# Altium PCB Theremin_Chafla-Jonathan.PcbDoc (continued)
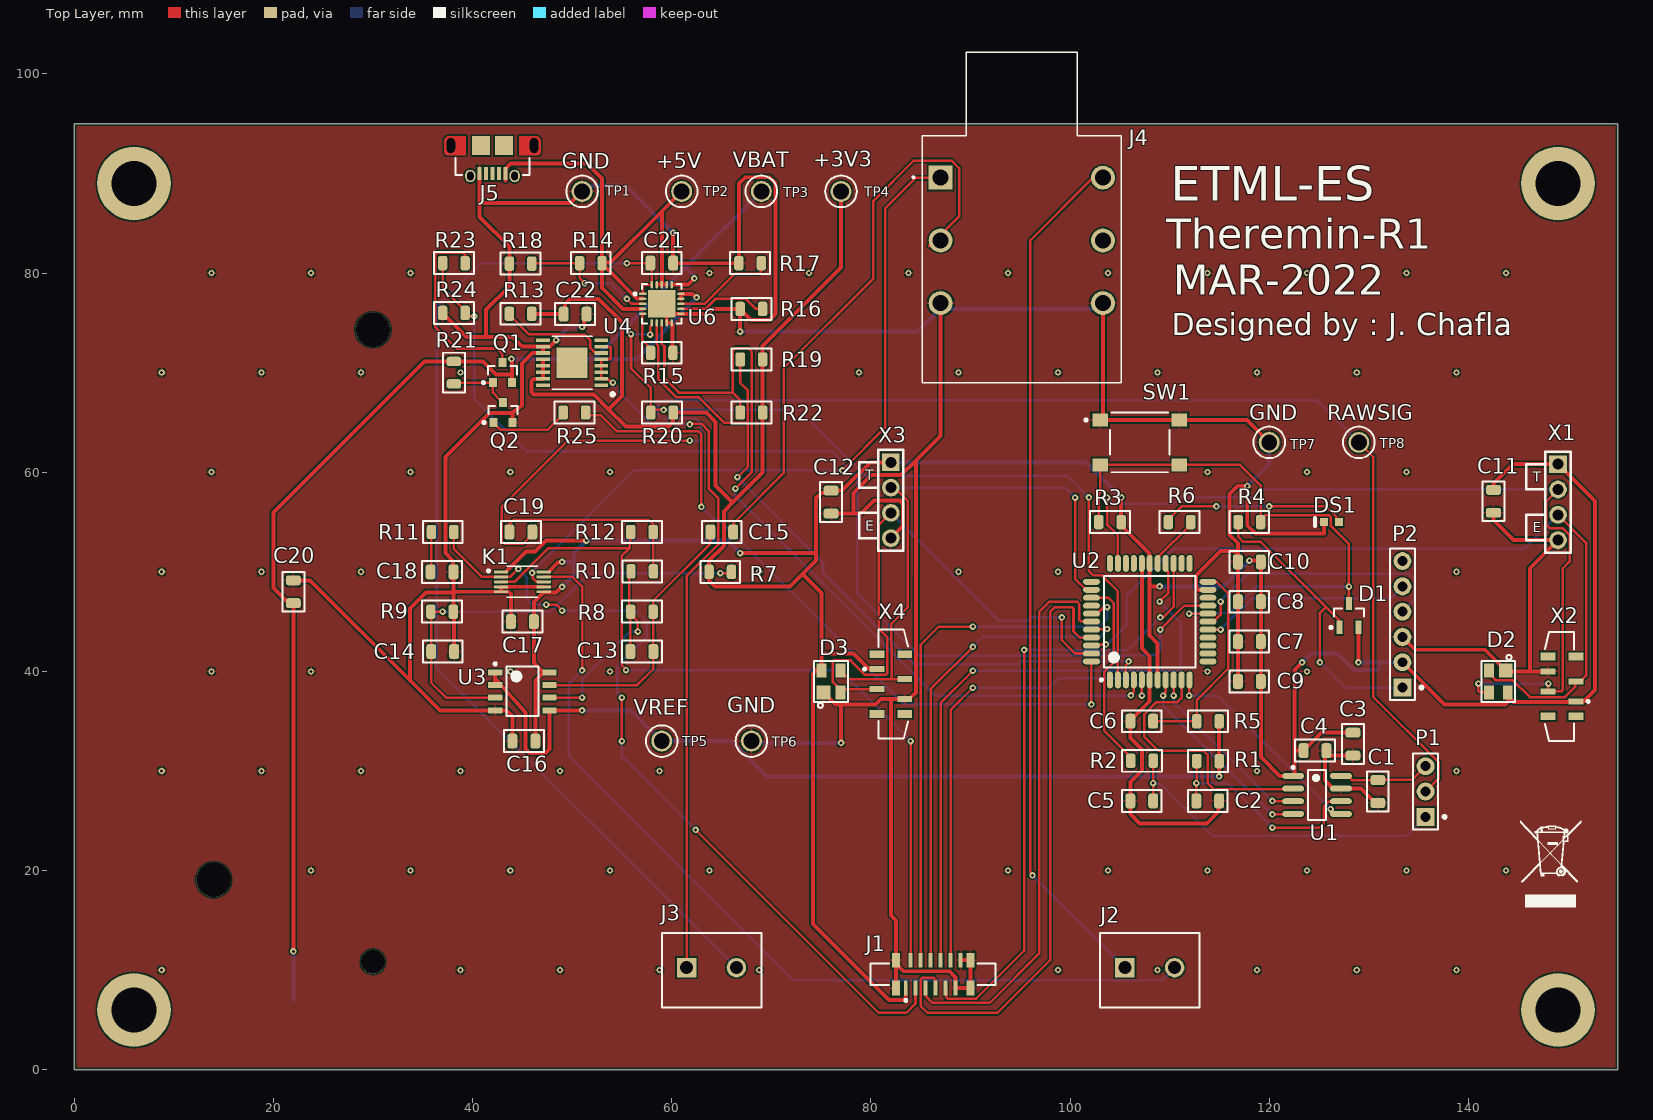
[diagram p0: Top Layer view]
## Part data (continued)
GND GND GND: library part CMP-1672-00003-4, "Test Point, Black, Through Hole, RoHS, Bulk", Colour=Black, Manufacturer=Keystone, Package Quantity=100, ComponentLink1Description="Manufacturer URL", ComponentLink1URL=http://www.keyelco.com/, ComponentLink2Description=Datasheet, ComponentLink2URL=http://www.keyelco.com/product-pdf.cfm?p=1320, Contact Material=Bronze, Contact Plating=Silver, DatasheetVersion="Rev. F, 12/2013", Height="8.12 mm", Mount="Through Hole", Mounting Technology="Through Hole", PackageDescription="1-Pin Through Hole Device, Dia 3.17 mm", PackageReference=5011, Packaging=Bulk, Pins=1, REACH SVHC="No SVHC", RoHSCompliant=true
J1: library part CMP-1502-01609-1, "SMT ZIF Connectors WR-FPC, Vertical, Type A, pitch 0.5 mm, 12 pins", Contact Resistance=20mOhm, Manufacturer="Wurth Elektronik", Operating Temperature=-25to85degC, Rated Current=0.5A, Withstanding Voltage=250VAC, Working Voltage=50VAC, Contact Design=TypeA, Datasheet URL=https://katalog.we-online.de/em/datasheet/687312124422.pdf, Manufacturer URL=http://www.we-online.de, Mounting Technology=SMT, Orientation=Vertical, Package Reference=687312124422, Packaging=TapeandReel, Part Number=687312124422, Pin Number=12, Pitch=0.5mm, Publisher=WurthElektronik
J2 J3: library part CMP-1502-03324-1, "Series 1377 - 5.00 mm Horizontal Entry with Pressure Clamp WR-TBL, 2 pin", Manufacturer="Wurth Elektronik", Operating Temperature=-30to120degC, Datasheet URL=http://katalog.we-online.de/pbs/datasheet/691137710002.pdf, Manufacturer URL=http://www.we-online.de, Mounting Technology=THT, Package Reference=691137710002, Packaging=Box, Part Number=691137710002, Pin Number=2, Pitch=5.00mm, Publisher=WurthElektronik
J4: "Audio/RCA Connector", Manufacturer 1="CUI Devices", Package=Package, Supplier Part Number 1=2223-SJ-63073E-ND, Availability=Warning, BuyPart=https://www.snapeda.com/parts/SJ-63073E/CUI%20Devices/view-part/4973947/?ref=eda, Category="Audio / Video Connectors", CUI_purchase_URL=https://www.cuidevices.com/product/interconnect/connectors/audio-connectors/jacks/sj-6307-series?utm_source=snapeda.com&utm_medium=referral&utm_campaign=snapedaBOM, Manufacturer Part Number 1=SJ-63073E, MF="CUI Devices", Mouser-Purchase-URL=https://snapeda.com/shop?store=Mouser&id=4973947, MP=SJ-63073E, Price=None, Pricing 1="1=1,85000, 10=1,60700, 25=1,53920, 50=1,50480, 100=1,43640, 250=1,29960, 500=1,19700, 1000=1,02600, 2500=0,95760 (USD)", RoHS=No, SnapEDA_Link=https://www.snapeda.com/parts/SJ-63073E/CUI%20Devices/view-part/4973947/?ref=snap, Stock 1=1172, Supplier 1=Digi-Key
J5: library part CMP-1502-03249-1, "Micro USB 2.0 Type AB Receptacle WR-COM, Horizontal, SMT", Contact Resistance=30mOhm, Manufacturer="Wurth Elektronik", Operating Temperature=-40to85degC, Rated Current=1.8A, Working Voltage=30VAC, Connector Type=MicroUSB2.0TypeAB, Datasheet URL=https://katalog.we-online.de/em/datasheet/629105150921.pdf, Gender=Receptacle, Manufacturer URL=http://www.we-online.de, Mounting Technology=SMT, Orientation=Horizontal, Package Reference=629105150921, Packaging=TapeandReel, Part Number=629105150921, Publisher=WurthElektronik
K1: Supplier Part Number 1=700-MAX9700AEUB, Puissance=1.2W, Supplier 1=Mouser
P1: "Header, 3-Pin", LatestRevisionDate=17-Jul-2002, LatestRevisionNote="Re-released for DXP Platform.", Publisher="Altium Limited"
P2: "Header, 6-Pin", LatestRevisionDate=17-Jul-2002, LatestRevisionNote="Re-released for DXP Platform.", Publisher="Altium Limited"
Q1: library part CMP-1058-00745-1, "Power MOSFET, -20 V, -1 A, P-Channel, 3-Pin SOT-23, Pb-Free, Tape and Reel", Manufacturer="On Semiconductor", Package Type=SOT-23-3, Channel Polarity="P Channel", Ciss Typ (pF)=165, ComponentLink1Description="Manufacturer URL", ComponentLink1URL=http://www.onsemi.com/, ComponentLink2Description=Datasheet, ComponentLink2URL=http://www.onsemi.cn/pub_link/Collateral/NTR1P02T1-D.PDF, ComponentLink3Description="Package Specification", ComponentLink3URL=http://www.onsemi.cn/pub_link/Collateral/318-08.PDF, Configuration=Single, Coss Typ (pF)=110, Crss Typ (pF)=35, DatasheetVersion="Rev. 7", ID Max (A)=1, Mounting Technology="Surface Mount", PackageDescription="3-Pin Small Outline Transistor, Body 2.92 x 1.3 mm, Pitch 0.95 mm", PackageReference=SOT-23-3-318-08, PackageVersion="Rev. AP, 11/2009", Packing="Tape and Reel", PartNumber=NVR1P02T1G, PD Max (W)=0.4, Qrr Typ (nC)=8, RoHS=Pb-Free, V(BR)DSS Min (V)=20, VGS Max (V)=20, VGS(th) Max (V)=2.3
Q2: library part CMP-1058-00767-1, "Power MOSFET, 200 mA, 50 V, N-Channel, 3-Pin SOT-23, Pb-Free, Tape and Reel", Manufacturer="On Semiconductor", Package Type=SOT-23-3, Channel Polarity="N Channel", Ciss Typ (pF)=40, ComponentLink1Description="Manufacturer URL", ComponentLink1URL=http://www.onsemi.com/, ComponentLink2Description=Datasheet, ComponentLink2URL=http://www.onsemi.com/pub_link/Collateral/BSS138LT1-D.PDF, ComponentLink3Description="Package Specification", ComponentLink3URL=http://www.onsemi.cn/pub_link/Collateral/318-08.PDF, Configuration=Single, Coss Typ (pF)=12, Crss Typ (pF)=3.5, DatasheetVersion="Rev. 8", ID Max (A)=0.2, Mounting Technology="Surface Mount", PackageDescription="3-Pin Small Outline Transistor, Body 2.92 x 1.3 mm, Pitch 0.95 mm", PackageReference=SOT-23-3-318-08, PackageVersion="Rev. AP, 11/2009", Packing="Tape and Reel", PartNumber=BSS138LT1G, PD Max (W)=0.225, RoHS=Pb-Free, V(BR)DSS Min (V)=50, VGS Max (V)=20, VGS(th) Max (V)=1.5
R1 R2 R3 R4 R5 R6 R7 R8 R9 R10 R11 R12 R13 R14 R15 R16 R17 R18 R19 R20 R21 R22 R23 R24 R25: library part RES, "Resistor"
RAWSIG: library part CMP-1672-00004-4, "Test Point, White, Through Hole, RoHS, Bulk", Colour=White, Manufacturer=Keystone, Package Quantity=100, ComponentLink1Description="Manufacturer URL", ComponentLink1URL=http://www.keyelco.com/, ComponentLink2Description=Datasheet, ComponentLink2URL=http://www.keyelco.com/product-pdf.cfm?p=1321, Contact Material=Bronze, Contact Plating=Silver, DatasheetVersion="Rev. F, 12/2013", Height="8.12 mm", Length="11.3 mm", Mount="Through Hole", Mounting Technology="Through Hole", PackageDescription="1-Pin Through Hole Device, Dia 3.17 mm", PackageReference=5012, Packaging=Bulk, Pins=1, REACH SVHC="No SVHC", RoHSCompliant=true
SW1: library part CMP-2000-05160-2, "SWITCH TACTILE SPST-NO 0.05A 12V", Case/Package=SMD/SMT, Color=Black, Contact Resistance=100mR, Current Rating=50mA, Max Operating Temperature=60°C, Max Voltage Rating (DC)=12V, Min Operating Temperature=-20°C, Operating Force=160gf, Package Quantity=1, Actuator Length=0.85mm, Actuator Material=Nylon, Actuator Type=Standard, Contact Material=Silver, Contact Plating=Silver, Depth=9mm, Illumination Type=Non-Illuminated, Lead Free="Lead Free", Length=6mm, Max Current Rating=50mA, Mechanical Life=100000Cycles, Mount="Surface Mount", Orientation=Straight, Packaging="Tape and Reel", REACH SVHC="No SVHC", Switch Function=Off-Mom, Termination="Gull Wing", Throw Configuration=SPST, Voltage Rating (DC)=12V
U1: library part CMP-0188-01155-1, "8-Bit DAC with SPI Interface, 8-Pin SOIC 150mil, Extended Temperature", Code_IPC=SOIC127P600-8, Code_JEDEC=MS-012, ComponentLink1Description="Manufacturer URL", ComponentLink1URL=http://www.microchip.com/, ComponentLink2Description=Datasheet, ComponentLink2URL=http://ww1.microchip.com/downloads/en/DeviceDoc/22248a.pdf, ComponentLink3Description="Package Specification", ComponentLink3URL=http://www.microchip.com/stellent/groups/techpub_sg/documents/packagingspec/en012702.pdf, DatasheetVersion="revA, Apr-2010", PackageDescription="8-Lead Plastic Small Outline (SN) - Narrow, 3.90mm Body [SOIC]", PackageReference=SOIC-SN8, PackageVersion="revBB, Aug-2009"
U2: "PIC PICÂ® 18F Microcontroller IC 8-Bit 48MHz 32KB _16K x 16_ FLASH 44-TQFP _10x10_", Package="TQFP-44 Microchip", Availability=Unavailable, MF=Microchip, MP=PIC18F4550-I/PT, Price=None, SnapEDA_Link=https://www.snapeda.com/parts/PIC18F4550-I/PT/Microchip/view-part/4713/?ref=snap
U3: library part CMP-0055-00790-3, "Dual Low Power 10 MHz Rail-to-Rail I/O Operational Amplifier, 8-pin Narrow SOIC", Manufacturer="Texas Instruments", Package Reference=D0008A, PackageTopMarking=NSZXTT*LM61*32BIM, PowerWise=N, Code_IPC=SOIC127P600-8, Code_JEDEC=MS-012-AA, ComponentLink1Description="Datasheet URL", ComponentLink1URL=http://www.ti.com/general/docs/lit/getliterature.tsp?genericPartNumber=LM6132&fileType=pdf, CompType=Amplifiers, PackageDescription="SOIC Narrow, 4.9 x 3.9 x 1.45mm, 8 Lead, 1.27mm Pitch", PinCount=8, RoHS=N
U4: "Fixed/Adjustable Positive LDO Regulator, 1.25V Min, 5V Max, 0.35V Dropout, PMOS, PDSO16", Dropout Voltage1-Max=350mV, Dropout Voltage1-Nom=210mV, Input Voltage Absolute-Max=6V, Manufacturer 1=Maxim, Max Operating Temperature=85°C, Mfr_Name="Maxim Integrated Products", Min Operating Temperature=0°C, Operating Temperature, TJ-Max=150°C, Output Current1-Max=1A, Output Voltage1-Max=5V, Output Voltage1-Min=1.25V, Output Voltage1-Nom=3.3V, Package Body Material=Plastic, Package Code=HTSSOP, Package Equivalence Code=TSSOP16,.25, Package Shape=Rectangular, Package Style="SMALL OUTLINE, HEAT SINK/SLUG, THIN PROFILE, SHRINK PITCHMeter", Peak Reflow Temperature (Cel)=260°C, Supplier Part Number 1=5086477, Time @ Peak Reflow Temperature-Max (s)=30s, Voltage Tolerance-Max=3%, Adjustability=FIXED/ADJUSTABLE, Category="Voltage Regulators - Linear", ComponentLink1Description=https://datasheet.ciiva.com:443/pdfs/VipMasterIC/IC/MAXM/MAXMS12433/MAXMS12433-1.pdf?src-supplier=IHS+Markit, ComponentLink1URL=https://datasheet.ciiva.com:443/pdfs/VipMasterIC/IC/MAXM/MAXMS12433/MAXMS12433-1.pdf?src-supplier=IHS+Markit, ComponentLink2Description=https://datasheet.ciiva.com/2051/max1793-2051488.pdf?src-supplier=Digi-Key, ComponentLink2URL=https://datasheet.ciiva.com/2051/max1793-2051488.pdf?src-supplier=Digi-Key, ComponentLink3Description=https://datasheet.ciiva.com/26903/max1793eue33-26903273.pdf?src-supplier=IIIC, ComponentLink3URL=https://datasheet.ciiva.com/26903/max1793eue33-26903273.pdf?src-supplier=IIIC, ComponentLink4Description=https://datasheet.ciiva.com/4887/max1793-45937-4887771.pdf?src-supplier=Mouser, ComponentLink4URL=https://datasheet.ciiva.com/4887/max1793-45937-4887771.pdf?src-supplier=Mouser, ComponentLink5Description=https://datasheet.ciiva.com/14282/max1793-14282095.pdf?src-supplier=Avnet, ComponentLink5URL=https://datasheet.ciiva.com/14282/max1793-14282095.pdf?src-supplier=Avnet, Copyright="Copyright (C) 2021 Ultra Librarian. All rights reserved.", Digi-Key_Part_Number_1=MAX1793EUE33+-ND, Height - Seated (Max)=1.1mm, JESD-30 Code=R-PDSO-G16, JESD-609 Code=e3, Length=5mm, Line Regulation-Max=0.0104%, Line Regulation-Max (%/V)=0.015, Manufacturer Part Number 1=MAX1793EUE33+, Manufacturer_Part_Number=MAX1793EUE33+, Moisture Sensitivity Level=1, Number of Functions=1, Number of Outputs=1, Number of Pins=16, Pricing 1="1=2,68000, 20=2,37000, 40=2,31000, 125=2,20000, 250=2,14000 (USD)", Qualification Status="Not Qualified", REACH SVHC=Yes, RefDes=RefDes, Regulator Type="FIXED/ADJUSTABLE POSITIVE SINGLE OUTPUT LDO REGULATOR", RoHS=Yes, RoHS Compliant=Yes, Stock 1=11, Supplier 1="Future Electronics", Surface Mount=Yes, Technology=PMOS, Terminal Finish=Tin, Terminal Form="Gull Wing", Terminal Pitch=0.65mm, Terminal Position=DUAL, Type=DEV, Width=4.4mm
U5: library part 1042P, "No Description Available", Supplier Part Number 1=534-1042P, Supplier 1=Mouser
U6: library part CMP-06318-000014-1, "IC USB/AC BATT CHRGR W/PPM 20QFN", Case/Package=QFN, Max Operating Temperature=85°C, Max Supply Voltage=6V, Min Operating Temperature=-40°C, Min Supply Voltage=4.5V, Output Current=1A, Output Voltage=4.2V, Package Quantity=3300, Contact Plating=Tin, Lead Free="Lead Free", Mount="Surface Mount", Number of Pins=20, Packaging="Tape and Reel", RoHS Compliant=Yes
X1 X3: "Header, 4-Pin", LatestRevisionDate=17-Jul-2002, LatestRevisionNote="Re-released for DXP Platform.", Publisher="Altium Limited"
X2 X4: library part CMP-1502-01500-1, "SMT ZIF Connectors WR-FPC, Vertical, Type A, pitch 1 mm, 4 pins", Contact Resistance=30mOhm, Manufacturer="Wurth Elektronik", Operating Temperature=-25to85degC, Rated Current=1A, Supplier Part Number 1=732-11356-1-ND, Withstanding Voltage=250VAC, Working Voltage=125VAC, Contact Design=TypeA, Datasheet URL=https://katalog.we-online.de/em/datasheet/686104183822.pdf, Manufacturer URL=http://www.we-online.de, Mounting Technology=SMT, Orientation=Vertical, Package Reference=686104183822, Packaging=TapeandReel, Part Number=686104183822, Pin Number=4, Pitch=1mm, Publisher=WurthElektronik, Supplier 1=Digi-Key

## Free pads (board coordinates)
  round 7.4 hole 4.5: 3(6,6) 3(6,89) 3(149,6) 3(149,89)

## Via types
v1: diameter 0.65, hole 0.3, Top Layer to Bottom Layer, 87 vias
v2: diameter 0.61, hole 0.305, Top Layer to Bottom Layer, 72 vias

## Nets (pads, with @x,y where several pads share a name; then routed paths per layer and width w, separated by ;. In a path a pad name is that pad's centre, name@x,y a point inside that pad or via, vN(x,y) a via of type N, cw(c..) or ccw(c..) an arc to the next point about the centre after c; other vN are vias at no path point)
3V3: +3V3.1 C3.1 C4.1 C7.1 C8.1 C9.1 C10.1 C11.2 C12.2 C16.2 C17.2 C22.2 D1.2 D2.4 D3.4 J1.1 K1.1 K1.6 K1.10 P2.2 R3.1 R7.2 R13.2 R19.2 R20.2 R22.2 U1.1 U2.7 U2.28 U3.8 U4.12 U4.13 U4.14 U4.15 X1.1 X2.1 X3.1 X4.1 | length 415.1
  Top Layer w0.4: K1.1@43.375,50.05 45.35,52.025 46.272,52.025 47.371,53.124 v1(51.438,53.124) ; R13.2@46.095,75.915 46.111,75.898 49.059,75.898 49.075,75.882 49.292,76.099 49.292,76.892 49.806,77.406 52.669,77.406 55,75.075 55,67.648 53.671,66.318 ; C16.2 46.3,39.101 U3.8@47.104,39.905 ; U4.12 U4.13 U4.14 U4.15 46.13,69.375 45.895,69.141 45.895,68.039 46.13,67.805 52.184,67.805 53.671,66.318 ; K1.10@47.665,50.05 48.577,50.962 48.962,50.962 v1(49,51) ; U3.8 U3.8@47.104,39.905 ; v1(49,48.498) 48.946,48.498 48.396,47.948 47.145,47.948 46.15,46.953 C17.2 46.15,40.859 U3.8@47.104,39.905 ; R20.2 R20.2@60.15,65.976 ; v1(66.875,51.882) 74.51,51.882 ; D3.4 D3.4@75.05,40.119 ; +3V3.1 77,80.557 69.125,72.682 R19.2 R22.2 69.125,59.962 66.103,56.94 ; X4.1 79.814,40.225 78.244,41.795 75.05,41.795 ; X3.1 79.942,61 77.092,58.15 C12.2 75.79,57.94 75.058,57.94 74.51,57.392 74.51,51.882 ; J1.1 83.5,7.249 83.248,6.997 81.803,6.997 74.18,14.62 74.18,39.789 74.51,40.119 D3.4@75.05,40.119 ; v1(105.15,57.475) 105.138,57.463 105.138,55.012 R3.1 105.377,54.748 105.377,54.426 107.965,51.838 107.965,50.885 U2.28 108,48.526 ; U2.7 108.8,42.823 108,43.623 108,48.526 ; v1(109,48.54) 108.014,48.54 108,48.526 ; v1(117.995,51.117) 119.15,51.117 C10.1 119.15,48.983 C8.1 C7.1 C9.1 119.15,31.396 121.041,29.505 U1.1 ; U1.1@122.6,29.49 122.553,29.537 122.553,32.042 ; v1(123.3,40.9) 122.553,40.153 122.553,32.042 ; C3.1@128.412,33.863 C3.1 125.258,33.85 123.969,32.561 123.746,32.561 123.45,32.265 C4.1 122.553,32.042 ; v1(128.95,40.92) D1.2 ; P2.2 137.609,36.686 143.717,36.686 143.95,36.918 D2.4@143.95,37.521 ; C11.2@142.76,58.476 C11.2 142.519,58.859 144.47,60.81 X1.1 152.7,57.11 152.7,38.121 151.579,37 X2.1 150.027,37 149.968,36.941 144.529,36.941 D2.4@143.95,37.521 ; D2.4 D2.4@143.95,37.521 ; 53.671,66.318 55.41,64.579 59.677,64.579 60.15,65.052 R20.2@60.15,65.976 ; R20.2@60.15,65.976 63.472,65.976 64.393,65.055 64.393,58.65 66.103,56.94 ; 66.103,56.94 65.239,56.076 65.239,52.606 63.75,51.117 R7.2 63.75,49.11 64.334,48.526 71.894,48.526 73.151,49.783 ; 73.151,49.783 74.51,51.142 74.51,51.882 ; 73.151,49.783 75.05,47.885 75.05,41.795 ; D3.4@75.05,40.119 75.05,41.795
  Bottom Layer w0.4: v1(49,48.498) 50.197,49.694 50.197,51 ; v1(49,51) 50.197,51 ; v1(66.875,51.882) 65.633,53.124 v1(51.438,53.124) 50.197,51.882 50.197,51 ; X3.1 101.625,61 v1@105.147,57.478 ; v1(109,48.54) 115.418,48.54 v1(117.995,51.117) ; v1(123.3,40.9) 124.2,41.8 126.835,41.8 128.515,40.12 130.766,40.12 131,40.354 131,40.92 ; v1(128.95,40.92) 131,40.92 ; P2.2 131,40.92
+5V: +5V.1 J5.1 R14.2 U6.2 U6.4 U6.17 U6.18 U6.19 | length 52.6
  Top Layer w0.4: 43.3,89.287 J5.1 43.3,90.475 43.825,91 51.493,91 53,89.493 R14.2 R14.2@53.006,80.993 ; R14.2@53,80.987 53,78.525 55.111,76.415 U6.4 ; U6.2@57.064,77.436 56.506,77.436 56.389,77.553 cw(c56.672,77.836) 56.388,77.554 53.364,80.63 53.26,80.734 53.238,80.734 R14.2@53.006,80.993 ; U6.19 U6.18 ; U6.17 U6.18 ; +5V.1 59,86.2 ; R14.2@53.006,80.993 53.053,81.041 53.841,81.041 59,86.2 ; U6.18 59,86.2
/PG: R20.1 U2.2 U6.6 | length 79.7
  Top Layer w0.254: v1(55.91,73.879) 55.91,70.429 57.9,68.44 R20.1 58.155,66.255 v1(59.198,66.255) ; v1(57.823,73.825) 57.823,74.606 57.979,74.762 57.993,74.762 58,74.77 U6.6 ; v1(101.892,57.475) 101.892,50.101 102.349,49.644 103.207,49.644 104.8,48.051 U2.2
  Bottom Layer w0.254: v1(55.91,73.879) 55.938,73.852 57.795,73.852 v1(57.823,73.825) ; v1(59.198,66.255) 72.809,66.255 79.413,59.651 99.715,59.651 v1(101.892,57.475)
ADC-Battery: R23.1 R24.2 U2.19 | length 110
  Top Layer w0.254: R23.1 37,78.498 39.25,76.248 R24.2 39.25,75.653 v1(40.17,75.653) ; v1(109.066,44.2) 111.466,46.6 U2.19
  Bottom Layer w0.254: v1(40.17,75.653) 40.17,67.348 45.402,62.115 76.06,62.115 78.625,59.55 78.625,47.815 84.882,41.559 96.672,41.559 96.717,41.604 108.508,41.604 109.066,42.163 v1(109.066,44.2)
CS: U1.2 U2.10 | length 27.5
  Top Layer w0.254: U2.10 111.2,37.325 110.794,36.918 108.673,36.918 107.454,35.699 107.454,33.436 108.848,32.042 113.398,32.042 113.804,31.635 113.804,28.79 114.42,28.175 U1.2@122.6,28.175
GND: C1.2 C2.2 C3.2 C4.2 C5.2 C6.2 C7.2 C8.2 C9.2 C10.2 C11.1 C12.1 C14.1 C16.1 C17.1 C18.1 C20.1 C21.1 C22.1 D2.1 D3.1 DS1.2 GND.1 J1.11 J1.12 J1.MP1 J1.MP2 J1.MP3 J1.MP4 J4.2 J4.5 J5.5 K1.4 K1.5 K1.7 P2.3 Q2.2 R9.1 R15.1 R16.1 R17.1 R18.1 R24.1 SW1.1 SW1.2 U1.7 U2.6 U2.21 U2.29 U3.4 U4.10 U4.11 U5.1 U6.9 U6.10 U6.11 U6.21 X1.4 X2.4 X3.4 X4.4 | length 536.2
  Top Layer w0.39: 43.626,48.5 K1.7
  Top Layer w0.4: C20.1 23.662,49.15 33.7,39.113 ; R24.1 39.405,73.595 41.35,73.595 ; C18.1@37.815,49.4 37.815,49.454 38.03,49.669 38.084,49.669 38.084,47.948 ; R9.1@38.084,46.022 38.084,47.948 ; C18.1 38.041,50.043 38.041,51.109 37.274,51.876 37.274,61.531 41.707,65.964 44,65.964 ; C14.1 R9.1@38.15,45.9 ; 38.343,48 K1.5 ; J5.5 40.7,87.05 ; 43.626,48.5 43.624,48.498 42.855,48.498 K1.5 ; C17.1 43.85,47.774 43.624,48 K1.5 ; C16.1 44,35.516 43.421,36.095 U3.4 36.717,36.095 33.7,39.113 ; Q2.2 44,65.964 ; v1(48.396,73.275) 48.396,73.243 47.8,72.647 47.095,72.647 U4.10 ; v1(51,74.587) 51,74.654 51.181,74.835 51.181,75.688 C22.1@51.375,75.882 ; GND.1@51,88.2 49.85,87.05 40.7,87.05 ; U6.21 U6.21@59.5,76.415 ; U6.10 U6.9 U6.21@59.5,76.415 ; U6.10@60.08,74.835 60.08,72.045 R15.1 ; v1(60.134,84.035) 60.15,84.019 C21.1 60.15,80.987 66.75,80.987 R17.1 66.75,88.975 67.398,89.623 69.837,89.623 70.421,89.039 70.421,75.882 69.837,75.298 67.977,75.298 R16.1 ; v1(66.875,74.129) R16.1 ; D3.1 76.46,36.69 77,36.69 ; C12.1 78.244,55.85 ; v1(77,32.836) 77,34.759 77,36.69 ; X3.4 83.241,54.621 83.241,56.832 82.912,57.161 80.302,57.161 78.99,55.85 78.244,55.85 ; J1.MP1 J1.MP2@82.5,10.65 ; J4.2 87,63.657 84.543,61.201 ; J1.12 J1.MP4 J1.MP3 J1.11 88.5,9.283 87.89,9.893 83.257,9.893 J1.MP2@82.5,10.65 ; J4.5 103.3,65.525 SW1.1 SW1.2 117.75,65.25 GND.1@120,63 ; U2.29 107.2,42.303 108,41.503 U2.6 108,37.02 106.05,35.07 C6.2 106.05,33.312 107.2,32.162 107.2,30.035 106.05,28.885 C5.2 106.05,25.668 106.991,24.726 113.726,24.726 114.911,25.911 114.911,26.936 C2.2 ; U2.21 112.915,48.2 112.636,48.479 112.636,49.618 115.125,52.108 116.573,52.108 116.85,51.83 ; C9.2 C7.2 C8.2 C10.2 116.85,51.83 ; DS1.2 125.5,53.835 118.605,53.835 117.792,54.648 v1(117.792,58.61) 116.813,58.61 116,57.797 116,53.72 116.85,52.87 116.85,51.83 ; C4.2@125.75,31.846 126.046,31.55 C3.2 ; C4.2 125.6,31.892 125.6,29.035 126.335,28.3 127.135,28.3 U1.7 129.205,28.235 130.65,26.79 C1.2 ; P2.3 134.659,42.176 141.674,42.176 D2.1 143.85,40 146.17,40 ; C11.1@142.66,55.794 C11.1 142.519,55.21 144.539,53.19 X1.4 146.17,50.36 146.17,40 ; X2.4 146.17,40 ; 33.7,39.113 33.7,46.3 35.348,47.948 38.084,47.948 ; 40.7,87.05 40.7,85.65 43.7,82.65 R18.1 43.7,78.673 41.35,76.323 41.35,73.595 ; 41.35,73.595 44,73.595 44.97,72.625 U4.10 ; 44,65.964 44.97,66.707 44.97,70.908 46.037,71.975 U4.11 U4.10 ; U6.21@59.5,76.415 60,75.915 U6.11 63.639,75.915 64.125,76.4 R16.1 ; 77,36.69 80.478,36.69 81.013,37.225 82,37.225 ; 78.244,55.85 78.244,57.894 80.053,59.702 83.045,59.702 84.543,61.201 ; 82,37.225 82,25.6 82,15.498 82.5,14.998 J1.MP2 J1.MP2@82.5,10.65 ; 82,37.225 X4.4 83.85,37.225 84.524,37.899 84.524,49.54 84.543,49.56 84.543,61.201
  Bottom Layer w0.4: v1(48.396,73.275) 49.707,74.587 v1(51,74.587) ; GND.1@51,88.2 51.46,88.2 52.035,88.775 55.394,88.775 v1(60.134,84.035) ; v1(66.875,74.129) 84.66,74.129 86.931,76.4 102.15,76.4 ; GND.1@67.937,32.836 v1(77,32.836) ; v1(117.792,58.61) 120,60.818 GND.1@120,63
  other v2: 8.788,10.008 38.788,10.008 48.788,10.008 58.788,10.008 68.788,10.008 98.788,10.008 108.788,10.008 118.788,10.008 128.788,10.008 138.788,10.008 23.788,20.008 33.788,20.008 43.788,20.008 53.788,20.008 63.788,20.008 93.788,20.008 103.788,20.008 113.788,20.008 123.788,20.008 133.788,20.008 143.788,20.008 8.788,30.008 18.788,30.008 28.788,30.008 38.788,30.008 48.788,30.008 58.788,30.008 118.788,30.008 138.788,30.008 13.788,40.008 23.788,40.008 43.788,40.008 53.788,40.008 113.788,40.008 123.788,40.008 8.788,50.008 18.788,50.008 28.788,50.008 68.788,50.008 88.788,50.008 98.788,50.008 138.788,50.008 13.788,60.008 33.788,60.008 43.788,60.008 53.788,60.008 113.788,60.008 123.788,60.008 133.788,60.008 8.788,70.008 18.788,70.008 28.788,70.008 38.788,70.008 78.788,70.008 88.788,70.008 98.788,70.008 108.788,70.008 118.788,70.008 128.788,70.008 138.788,70.008 13.788,80.008 23.788,80.008 33.788,80.008 63.788,80.008 73.788,80.008 83.788,80.008 93.788,80.008 103.788,80.008 113.788,80.008 123.788,80.008 133.788,80.008 143.788,80.008
LDAC: U1.5 U2.11 | length 22.3
  Top Layer w0.254: v1(111.946,37.574) 111.973,37.601 111.973,39.123 U2.11 ; v1(126.174,26.174) 126.174,25.742 126.281,25.635 U1.5@127.4,25.635
  Bottom Layer w0.254: v1(111.946,37.574) 114.775,37.574 v1(126.174,26.174)
MCLR: D1.1 P2.1 R4.2 | length 31
  Top Layer w0.254: R4.2 116.875,53.533 117.386,53.022 119.125,53.022 125.678,46.469 ; v1(125.082,40.92) 125.082,45.872 125.678,46.469 ; D1.1 127.05,45.097 125.678,46.469
  Bottom Layer w0.254: v1(125.082,40.92) 127.622,38.38 P2.1
NetC1_1: C1.1 P1.3 U1.8 | length 8.7
  Top Layer w0.254: U1.8 127.907,29.505 128.322,29.09 C1.1 ; C1.1@131.4,29.11 134.33,29.11 P1.3
NetC2_1: C2.1 R1.1 U1.6 | length 22.7
  Top Layer w0.254: C2.1 112.688,27.012 v1(112.688,28.778) 112.712,28.803 112.712,30.988 R1.1 ; v1(120.307,24.32) 125.082,24.32 125.488,24.726 125.488,26.473 125.92,26.905 U1.6@127.4,26.905
  Bottom Layer w0.254: v1(112.688,28.778) 112.7,28.79 115.836,28.79 v1(120.307,24.32)
NetC5_1: C5.1 P1.1 R2.1 | length 34.3
  Top Layer w0.254: C5.1 v1(108.35,28.778) R2.1
  Bottom Layer w0.254: v1(108.35,28.778) 108.384,28.744 109.031,28.744 114.275,23.5 133.8,23.5 P1.1
NetC6_1: C6.1 R5.1 U2.22 | length 21
  Top Layer w0.254: C6.1 110.528,35 R5.1 112.725,37.135 115.887,40.297 115.887,47.84 114.727,49 U2.22
NetC13_1: C13.1 C15.2 R8.1 U3.7 | length 27.2
  Top Layer w0.254: U3.7 56.514,38.635 58.15,40.271 C13.1 58.15,43.98 58.125,44.005 R8.1 58.125,47.094 63.875,52.844 C15.2
NetC13_2: C13.2 R8.2 R10.1 U3.6 | length 22.8
  Top Layer w0.254: U3.6 v1(51,37.365) ; R10.1@55.75,50 55.75,46.125 R8.2 55.875,45.733 56.607,45 v1(56.607,44) ; C13.2 R8.2@55.85,45.733
  Bottom Layer w0.254: v1(51,37.365) 51,39.181 55.819,44 v1(56.607,44)
NetC14_2: C14.2 R7.1 R9.2 U3.3 | length 46.5
  Top Layer w0.254: R9.2 v1(37,46) ; R9.2@35.85,45.792 C14.2 35.85,38.856 37.341,37.365 U3.3 U3.3@42.922,37.365 ; v1(64.884,49.872) 66,49.872 R7.1
  Bottom Layer w0.254: v1(37,46) 47.888,46 51.761,49.872 v1(64.884,49.872)
NetC15_1: C15.1 J4.3 | length 58.7
  Top Layer w0.254: C15.1 66.175,54.847 71.234,59.905 71.234,70.446 80.251,79.463 80.251,87.251 84.3,91.3 88.074,91.3 88.85,90.524 88.85,85.7 85.85,82.7
NetC18_2: C18.2 R11.2 | length 4.1
  Top Layer w0.254: R11.2 35.875,50.125 C18.2@36,50
NetC19_1: C19.1 R10.2 R12.2 | length 20.3
  Top Layer w0.254: C19.1 43.7,54.8 44.132,55.232 57.693,55.232 58.125,54.8 R12.2 R10.2@58.125,50.05
NetC19_2: C19.2 P1.2 RAWSIG.1 | length 148.7
  Top Layer w0.254: C19.2 46,53.75 45.069,52.819 43.218,52.819 42.913,53.124 42.913,56.527 49.568,63.182 v1(61.81,63.182) ; RAWSIG.1 130.441,61.559 130.441,37.459 137,30.9 137,29.24 P1.2
  Bottom Layer w0.254: v1(61.81,63.182) 62.823,63.182 62.972,63.331 62.972,64.815 62.384,65.402 58.93,65.402 58.629,65.703 58.629,65.97 58.594,66.005 58.594,66.506 58.629,66.541 58.629,66.808 59.057,67.236 124.764,67.236 RAWSIG.1
NetC21_2: C21.2 J3.2 U6.1 U6.20 | length 106.1
  Top Layer w0.254: v1(55.491,80.987) 57.837,80.987 C21.2 58,80.85 U6.20 57.234,78.829 57.085,78.68 U6.1
  Bottom Layer w0.254: v1(55.491,80.987) 40.779,80.987 36.396,76.604 36.396,40.354 J3.2
NetD1_3: D1.3 R3.2 R4.1 SW1.3 SW1.4 U2.18 | length 62.3
  Top Layer w0.254: R3.2 102.875,57.797 103.025,57.947 SW1.3 SW1.4 117.063,60.75 119.125,58.688 R4.1@119.125,55.257 ; v1(111.946,45.8) U2.18 ; R4.1 R4.1@119.125,55.257 ; D1.3 v1(128,48.526) 128,52.796 126.199,54.597 126.199,55.496 126.016,55.679 119.614,55.679 119.192,55.257 R4.1@119.125,55.257
  Bottom Layer w0.254: v1(111.946,45.8) 116.055,45.874 118.706,48.526 v1(128,48.526)
NetDS1_1: DS1.1 R6.2 | length 18.5
  Top Layer w0.254: R6.2@109.875,55.25 111.2,56.575 v1(114.7,56.575) ; v1(120,56.575) 125.695,56.575 126.727,55.543 126.727,55.273 DS1.1
  Bottom Layer w0.254: v1(114.7,56.575) v1(120,56.575)
NetJ1_2: J1.2 K1.3 R12.1 | length 82.2
  Top Layer w0.254: K1.3 44.229,49 47.591,52.362 55.765,52.362 ; v1(55.41,40.119) 55.41,40.226 54.978,40.658 54.978,51.574 55.765,52.362 ; R12.1 55.765,52.362 ; J1.2 v1(84,33.006)
  Bottom Layer w0.254: v1(55.41,40.119) 76.887,40.119 v1(84,33.006)
NetJ1_3: J1.3 K1.2 R11.1 | length 83.1
  Top Layer w0.254: R11.1 38.125,52.311 40.936,49.5 K1.2 42.878,49.523 43.805,49.523 v1(44.591,50.309) ; v1(47.4,46.7) 48.413,46.7 v1(49,46.113) ; v1(54.989,37.365) 54.994,37.36 54.994,33.006 v1(55,33) ; v1(62.4,24.1) 80.773,5.727 83.558,5.727 84.478,6.647 84.478,8.178 J1.3
  Bottom Layer w0.254: v1(44.591,50.309) 45.464,49.436 45.464,47.209 45.974,46.7 v1(47.4,46.7) ; v1(49,46.113) 56.387,46.113 57.5,45 57.5,43.5 54.521,40.521 54.521,37.833 v1(54.989,37.365) ; v1(55,33) 55,31.5 v1(62.4,24.1)
NetJ2_1: J2.1 J4.4 | length 85.7
  Top Layer w0.254: v1(96.227,19.523) 96.227,19.63 96,19.857 96,83.275 J4.4@102.171,89.446
  Bottom Layer w0.254: v1(96.227,19.523) J2.1
NetJ2_2: J2.2 K1.9 | length 92.5
  Top Layer w0.254: K1.9 50.042,49.5 51,48.542 v1(51,40.1)
  Bottom Layer w0.254: v1(51,40.1) 49.669,38.769 49.669,31.508 72.199,8.978 109.228,8.978 J2.2
NetJ3_1: J3.1 U4.2 U4.3 U4.4 U4.5 U4.7 | length 74
  Top Layer w0.254: U4.7 53.784,72.625 53.886,72.523 53.886,71.427 53.784,71.325 U4.5 U4.4 U4.3 U4.2 52.978,69.324 53.657,69.324 53.993,68.989 v1(54.1,68.989) ; J3.1 61.5,49.562 64.655,52.717 64.655,57.412 63.704,58.364 63.704,64.147 62.972,64.879 62.507,64.879 62.501,64.874 61.886,64.874 v1(61.81,64.798)
  Bottom Layer w0.254: v1(54.1,68.989) 54.176,68.913 54.176,68.609 58.077,64.707 58.287,64.707 58.459,64.879 60.041,64.879 60.122,64.798 v1(61.81,64.798)
NetJ4_1: J4.1 K1.8 | length 70.8
  Top Layer w0.254: v1(45.974,49.89) 46.04,49.824 46.04,49.384 46.401,49.023 46.841,49.023 K1.8@46.863,49.001 ; v1(77.127,60.18) 81.425,64.478 81.425,86.475 84.5,89.55 J4.1@85.931,89.55
  Bottom Layer w0.254: v1(45.974,49.89) 45.974,49.956 56.197,60.18 v1(77.127,60.18)
NetQ1_1: Q1.1 Q2.3 R21.2 | length 6.4
  Top Layer w0.254: R21.2 38.25,69 Q1.1 42.05,68 42.727,67.323 42.777,67.323 43.05,67.05 Q2.3
NetQ1_3: Q1.3 R23.2 | length 20
  Top Layer w0.254: R23.2 39.25,81.826 39.021,82.054 36.461,82.054 36.233,81.826 36.233,74.587 38.392,72.428 42.441,72.428 43,71.869 Q1.3
NetQ2_1: Q2.1 R25.2 | length 8.2
  Top Layer w0.254: Q2.1 42.1,64.96 42.811,64.249 47.539,64.249 48.692,65.402 49.1,65.81 R25.2
NetR6_1: R6.1 U2.27 | length 5.5
  Top Layer w0.254: U2.27 108.8,51.419 112.125,54.744 R6.1
NetR13_1: R13.1 U4.6 | length 11.1
  Top Layer w0.254: R13.1@43.845,75.665 45.631,73.879 48.646,73.879 48.7,73.825 51.25,73.825 51.493,73.582 51.827,73.248 51.827,72.862 51.828,72.861 51.828,72.472 52.132,72.168 52.135,72.168 52.278,72.026 52.877,72.026 U4.6
NetR14_1: R14.1 R18.2 U6.3 | length 13.7
  Top Layer w0.254: R18.2 45.975,80.975 50.725,80.975 R14.1 50.75,79.488 v1(51.244,78.994) ; v1(55.491,77.406) 55.983,76.915 U6.3
  Bottom Layer w0.254: v1(51.244,78.994) 51.25,79 53.897,79 v1(55.491,77.406)
NetR15_2: R15.2 U6.5 | length 4.3
  Top Layer w0.254: U6.5 57.043,75.915 57.035,75.907 57.035,75.035 57.035,73.275 57.595,72.715 57.595,72.28 R15.2
NetR16_2: R16.2 U6.12 | length 9
  Top Layer w0.254: U6.12 63.385,76.415 64.377,77.406 67.475,77.406 68.481,76.4 R16.2
NetR17_2: R17.2 U6.13 | length 10.2
  Top Layer w0.254: U6.13 63.31,76.915 66.342,79.946 68.746,79.946 69,80.2 R17.2
PGEC: P2.5 U2.16 | length 21.3
  Top Layer w0.254: U2.16 v1(115.117,44.2)
  Bottom Layer w0.254: v1(115.117,44.2) 118.249,47.332 132.167,47.332 P2.5
PGED: P2.4 U2.17 | length 27.5
  Top Layer w0.254: U2.17 114.419,45 115.125,45.706 v1(115.125,47)
  Bottom Layer w0.254: v1(115.125,47) 115.125,47.081 117.866,49.822 134.048,49.822 134.556,49.314 134.556,47.181 P2.4
PWM1: R2.2 U2.36 | length 19.7
  Top Layer w0.254: U2.36 103.851,47.4 104.389,46.863 104.389,40.908 103.421,39.94 103.421,34.064 105.875,31.609 R2.2@105.875,31
RC0: D2.3 U2.32 X1.2 X2.2 | length 87.2
  Top Layer w0.254: v1(103.716,57.463) 103.716,54.759 104.8,53.675 U2.32 ; v1(141,38.773) 141,38.049 141.149,37.9 D2.3 D2.3@142.05,38.1 ; v1(148.018,38.773) 148,38.755 X2.2 149.326,38 149.475,38.149 149.475,50.343 150.168,51.037 150.168,53.681 149.491,54.358 148.196,54.358 147.815,54.739 147.815,57.085 X1.2
  Bottom Layer w0.254: v1(103.716,57.463) 104.328,56.85 110.406,56.85 111.031,57.475 118.5,57.475 119.295,58.27 X1.2 ; v1(141,38.773) v1(148.018,38.773)
RC1: D3.3 U2.35 X3.2 X4.2 | length 56.9
  Top Layer w0.254: D3.3 77.825,39.225 82.081,39.225 ; X3.2 82.363,58.46 83.721,57.102 83.721,46.459 82.045,44.783 82.045,42.555 82.081,42.519 82.081,39.225 ; X4.2 82.081,39.225 ; v1(100.503,57.463) 100.503,49.277 101.581,48.2 U2.35
  Bottom Layer w0.254: X3.2 99.506,58.46 v1(100.503,57.463)
RC4: D2.2 U2.42 X1.3 X2.3 | length 83.6
  Top Layer w0.254: U2.42 102.206,42.656 103.548,42.656 v1(103.604,42.712) ; D2.2 142.05,39.813 142.76,39.103 144.487,39.103 146.17,37.421 149.689,37.421 150.736,38.468 150.736,38.936 X2.3 151.25,39 151.829,39.579 151.829,52.901 X1.3
  Bottom Layer w0.254: v1(103.604,42.712) 103.698,42.712 105.705,44.719 105.705,47.666 110.35,52.311 145.581,52.311 X1.3
RC5: D3.2 U2.43 X3.3 X4.3 | length 57.5
  Top Layer w0.254: X4.3 76.938,38.225 76.161,39.001 76.161,40.982 76.288,41.109 77.965,41.109 79.429,39.646 81.466,39.646 81.629,39.809 81.629,43.439 80.81,44.259 80.81,54.73 X3.3 ; v1(99.174,45.437) 99.174,43.13 100.503,41.8 U2.43
  Bottom Layer w0.254: X3.3 92.853,45.067 95.775,45.067 96.145,45.437 v1(99.174,45.437)
RC6: R25.1 U2.44 | length 71.7
  Top Layer w0.254: R25.1 51.35,65.747 52.87,65.747 54.521,64.096 62.674,64.096 62.972,63.799 v1(62.972,56.527) ; v1(102.15,36.69) U2.44
  Bottom Layer w0.254: v1(62.972,56.527) 64.267,55.232 64.768,55.232 83.31,36.69 v1(102.15,36.69)
RD5: R19.1 U2.3 U6.7 | length 78.9
  Top Layer w0.254: U6.7 58.5,72.831 58.629,72.702 58.629,69.371 60.475,67.525 62.725,67.525 65.29,64.96 67.652,64.96 ; v1(66.6,59.5) 67.652,60.552 67.652,64.96 ; R19.1 66.875,68.989 67.652,68.211 67.652,64.96 ; U2.3 105.6,40.618 105.875,40.893 v1(105.875,41)
  Bottom Layer w0.254: v1(66.6,59.5) 75.191,50.909 75.191,49.903 84.391,40.703 94.846,40.703 95.143,41 v1(105.875,41)
RD6: R22.1 U2.4 U6.8 | length 86.7
  Top Layer w0.254: U6.8 59,72.906 59.275,72.631 59.275,69.45 60.725,68 66.111,68 ; v1(66.382,58.364) 68.059,60.04 68.059,72.097 67.703,72.453 66.382,72.453 66.111,72.182 66.111,68 ; R22.1 66.875,67.236 66.111,68 ; v1(106.1,37.601) 106.1,37.632 106.4,37.932 U2.4
  Bottom Layer w0.254: v1(66.382,58.364) 66.382,57.619 86.428,37.574 106.073,37.574 v1(106.1,37.601)
RD7: J1.10 U2.5 | length 48.4
  Top Layer w0.254: J1.10 88,36.133 90.227,38.36 v1(90.233,38.36) ; v1(107.2,37.574) U2.5
  Bottom Layer w0.254: v1(90.233,38.36) 97.881,38.36 98.827,39.306 106.254,39.306 107.2,38.36 v1(107.2,37.574)
RE0: J1.9 U2.25 | length 62.2
  Top Layer w0.254: J1.9 87.569,8.131 87.569,7.288 87.718,7.139 90.578,7.139 95.4,11.961 95.4,42.159 v1(95.396,42.163) ; v1(109.066,45.437) 109.343,45.437 110.4,46.494 U2.25
  Bottom Layer w0.254: v1(95.396,42.163) 99.689,42.163 99.744,42.108 105.706,42.108 109.035,45.437 v1(109.066,45.437)
RE1: J1.8 U2.26 | length 63.3
  Top Layer w0.254: J1.8 87,36.835 v1(90.233,40.068) ; v1(109,47) 109.87,47.87 109.87,48.08 109.875,48.085 109.875,49.978 109.6,50.253 U2.26
  Bottom Layer w0.254: v1(90.233,40.068) 110.963,40.068 111.038,40.142 111.109,40.213 111.109,44.892 v1(109,47)
SCK: U1.3 U2.9 | length 18.6
  Top Layer w0.254: v1(110.4,37.574) U2.9 ; v1(120.307,27) 120.354,26.952 122.553,26.952 U1.3@122.6,26.905
  Bottom Layer w0.254: v1(110.4,37.574) 110.4,36.907 v1@120.293,27.014
SDI: U1.4 U2.8 | length 20.5
  Top Layer w0.254: v1(109.343,37.574) 109.343,37.662 109.6,37.919 U2.8 ; v1(120.307,25.635) U1.4@122.6,25.635
  Bottom Layer w0.254: v1(109.343,37.574) 109.343,36.599 v1(120.307,25.635)
Sel-Sinus: J1.4 U2.38 | length 54.5
  Top Layer w0.254: J1.4 85,13.27 85.004,13.274 85.004,42.687 85.356,43.04 86.804,44.488 v1(90.233,44.488) ; U2.38 102.719,45.8 103.302,46.383 103.64,46.383 v1(103.716,46.459)
  Bottom Layer w0.254: v1(90.233,44.488) 102.883,44.488 103.716,45.321 v1(103.716,46.459)
Sel-Square: J1.5 U2.39 | length 56.2
  Top Layer w0.254: J1.5 85.5,7.412 86.194,6.718 91.935,6.718 96.888,11.671 96.888,45.961 97.927,47 100.675,47 100.926,46.748 100.926,45.173 101.075,45.024 102.126,45.024 U2.39
Sel_Sawtooth: J1.7 U2.41 | length 62.5
  Top Layer w0.254: J1.7 86.5,9.028 86.296,9.232 85.153,9.232 85.001,9.08 85.001,6.413 85.686,5.727 92.727,5.727 98,11 98,45.983 98.476,46.459 100.196,46.459 100.344,46.31 100.344,44.03 100.975,43.4 U2.41
Sel_Triangle: J1.6 U2.40 | length 49.1
  Top Layer w0.254: J1.6 86,38.223 v1(90.233,42.456) ; U2.40 102.179,44.229 103.686,44.229 v1(103.716,44.259)
  Bottom Layer w0.254: v1(90.233,42.456) 91.258,43.48 103.034,43.48 103.716,44.162 v1(103.716,44.259)
VBAT: C20.2 Q1.2 R21.1 U5.2 U6.14 U6.15 U6.16 VBAT.1 | length 134.4
  Top Layer w0.4: v1(22,11.9) C20.2 21.731,47.119 21.265,47.119 20,48.384 20,55.959 35.166,71.125 R21.1 41.033,71.125 42.347,69.811 43.95,69.811 ; v1(43.891,71.389) 43.929,71.351 43.929,71.209 43.95,71.188 43.95,69.811 ; Q1.2 43.95,69.811 ; U6.16@60.08,78.829 61.629,78.829 62.263,79.463 v1(62.268,79.463) ; U6.14 U6.15 62.078,77.915 62.439,77.554 v1(62.507,77.554)
  Bottom Layer w0.4: U5.2 v1(22,11.9) ; v1(43.891,71.389) 43.893,71.386 52.186,71.386 ; v1(62.268,79.463) 62.229,79.502 62.229,79.739 61.667,80.301 61.384,80.584 ; v1(62.507,77.554) 59.455,74.502 59.455,74.39 56.451,71.386 52.186,71.386 ; VBAT.1 61.384,80.584 ; 52.186,71.386 61.384,80.584
VREF_1V65: R1.2 R5.2 U3.1 U3.2 U3.5 VREF.1 | length 91.4
  Top Layer w0.4: U3.2 42.275,39.265 ; U3.1 42.275,39.265 ; U3.5 U3.5@47.739,36.095 ; v1(51,36.095) U3.5@47.739,36.095 ; v1(114.975,29.464) R1.2 R5.2 ; 42.275,39.265 42.588,38.916 45.326,35.861 45.326,32.229 45.732,31.822 47.332,31.822 47.739,32.229 U3.5@47.739,36.095
  Bottom Layer w0.4: v1@51.214,36.095 55.911,36.095 VREF.1 66.017,33.006 69.558,29.464 v1(114.975,29.464)
pads on no net: J4.6 J5.2 J5.3 J5.4 J5.Shell P2.6 U2.1 U2.12 U2.13 U2.14 U2.15 U2.20 U2.23 U2.24 U2.30 U2.31 U2.33 U2.34 U2.37 U4.1 U4.8 U4.9 U4.16 U4.EPAD U5. X2.MP1 X2.MP2 X2.MP3 X2.MP4 X4.MP1 X4.MP2 X4.MP3 X4.MP4

## Polygon pours and split planes (outlines as drawn)
GND on Bottom Layer "GND_L02_P005" (solid, pour order 5): 155,0 155,95 0,95 0,0
GND on Top Layer "GND_L01_P000" (solid, pour order 0): 0,95 0,0 155,0 155,95

## Silkscreen, mask and mechanical layers (free items; w line width, h text height)
Top Overlay:
  drawing of 3 lines, arcs and shapes, not listed
  text "TP1" at 53.304,87.754 h1
  text "TP2" at 63.179,87.704 h1
  text "TP4" at 79.328,87.661 h1
  text "TP3" at 71.179,87.629 h1
  text "ETML-ES" at 110.09,87.26 h3.5
  text "Theremin-R1" at 109.664,82.463 h3
  text "MAR-2022" at 110.38,77.84 h3
  text "Designed by : J. Chafla" at 110.216,73.774 h2.2
  text "TP8" at 131.079,62.429 h1
  text "TP7" at 122.105,62.306 h1
  text "TP5" at 61.054,32.504 h1
  text "TP6" at 70.054,32.454 h1
Board Outline (ES):
  the board outline again, w0.254

## Text inside footprints (layer, text, board x,y; h text height)
J1: Assembly Data "12P" at 90.85,11.1 h1.02
J5: PCB Mfg Notes "PCB Edge" at 43.1,94.805 h0.41 r180
X1: Top Overlay "T" at 146.454,59.054 h1.02; Top Overlay "E" at 146.454,53.954 h1.02
X2: Assembly Data "4P" at 147.4,42.3 h1.02 r90
X3: Top Overlay "E" at 79.454,54.144 h1.02; Top Overlay "T" at 79.454,59.244 h1.02
X4: Assembly Data "4P" at 84,34.925 h1.02 r270